# Altium PCB AL1000.PcbDoc (part 2 of 8)
Units mil, origin at the board's own origin, x right, y up, seen from the top; angles counter-clockwise.
Board outline 8277.75 x 4143.89 mil, 4 copper layers (Component Side, Ground Plane, Power Plane, Solder Side), stack 33.234 mil thick; 485 components, 360 nets, 1548 pads, 394 vias.
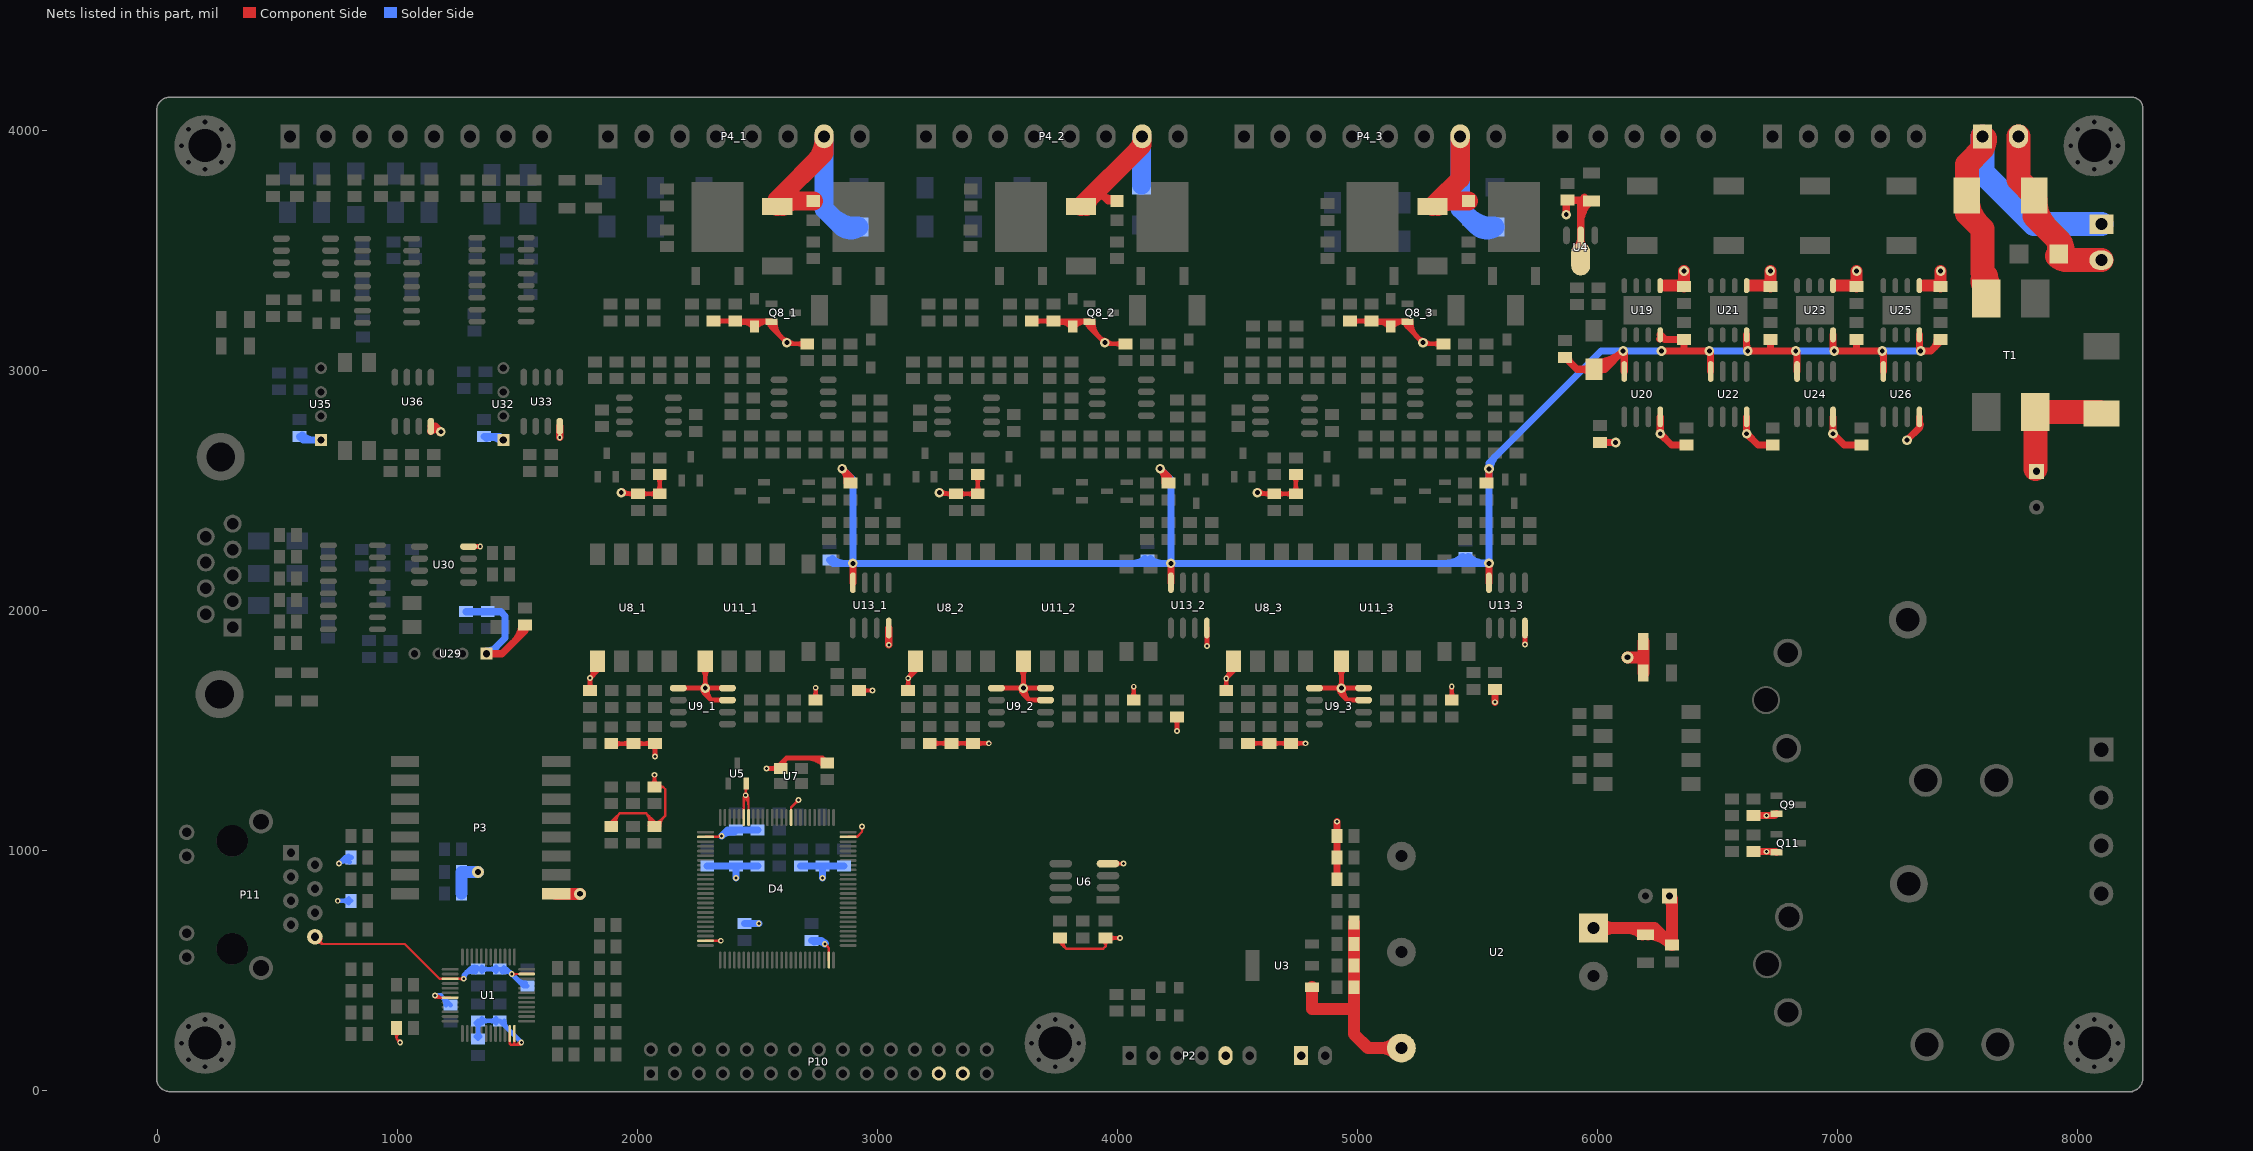
[diagram p4: the nets of this part, all layers, seen from the top]

## Part data
C1 C2 C3 C4 C5 C7 C8 C9 C14 C15 C18 C20 C22 C23 C26 C28 C31 C34 C36_1 C36_2 C36_3 C38_1 C38_2 C38_3 C39_1 C39_2 C39_3 C42_1 C42_2 C42_3 C45_1 C45_2 C45_3 C46_1 C46_2 C46_3 C47_1 C47_2 C47_3 C48_1 C48_2 C48_3 C49_1 C49_2 C49_3 C50_1 C50_2 C50_3 C51_1 C51_2 C51_3 C52_1 C52_2 C52_3 C53_1 C53_2 C53_3 C54_1 C54_2 C54_3 C55_1 C55_2 C55_3 C56_1 C56_2 C56_3 C57 C59 C60 C61 C62 C63 C64 C65 C66 C67 C68 C69 C70 C71 C72 C73 C74 C75 C77 C78 C80 C82 C83 C84 C85 C86 C87 C88 C90 C92 C93 C94 C95 C96 C97 C99 C100 C102 C103 C104 C105: library part "0805 100nF(104) 10% 50V", "贴片电容"
C6 C12 C13 C17 C19 C21 C25 C27 C33 C76 C79 C89 C101: library part "0805 10uF (106) 10% 25V", "贴片电容"
C10 C81 C91 C98: library part Cap, "Capacitor"
C11: library part CD1, "Electrolytic Capacitor"
C16 C24 C37_1 C37_2 C37_3: library part "1206 10uF (106) 10% 50V", "贴片电容"
C29 C30 C35_1 C35_2 C35_3 C40_1 C40_2 C40_3 C43_1 C43_2 C43_3 C44_1 C44_2 C44_3: library part CAP, "Capacitor"
C32: library part G-CC41-0805-CG-50V-300J, "多层瓷介电容"
C41_1 C41_2 C41_3: library part CC, "Capacitor"
C58: library part "Cap Pol1", "Polarized Capacitor (Radial)"
D1: library part "SMA(DO-214AC) SS54", "二极管"
D2 D3 D8_1 D8_2 D8_3 D9_1 D9_2 D9_3 D10_1 D10_2 D10_3 D31: library part TVS
D4: library part BARRACUDA_256K
D5 D6 D26 D28: library part Diode, "Default Diode"
D7_1 D7_2 D7_3: library part "SMA(DO-214AC) M7", "二极管"
D11_1 D11_2 D11_3 D13_1 D13_2 D13_3 D25 D27: library part "0805 红灯", "发光二极管"
D12_1 D12_2 D12_3 D14_1 D14_2 D14_3: library part "D Zener", "Zener Diode"
D15 D16 D17 D18 D19 D20 D21 D22 D23 D24: library part "Bidirectional DIODE TVS", "1V5KE6V8CA"
L1 L2 L3 L4 L5_1 L5_2 L5_3 L6_1 L6_2 L6_3 L8_1 L8_2 L8_3 L9_1 L9_2 L9_3 L11 L12 L13 L14 L15 L16 L17: library part L1
M1 M3 M4 M5 M6: "Header, 9-Pin"
P1 P9 P12: library part "Header 2", "Header, 2-Pin"
P2: "Header, 6-Pin"
P3: library part "Header 8X2", "Header, 8-Pin, Dual row"
P4_1 P4_2 P4_3 P8: "Header, 8-Pin"
P5: library part "Header 4H", "Header, 4-Pin, Right Angle"
P6 P7: "Header, 5-Pin"
P10: "Header, 15-Pin, Dual row"
P11: library part J0011D21B
P13: library part DB9
Q1_1 Q1_2 Q1_3 Q2_1 Q2_2 Q2_3 Q8_1 Q8_2 Q8_3 Q9 Q11: library part "SOT-23 MMBT5401 2L", "三极管"
Q3_1 Q3_2 Q3_3 Q5_1 Q5_2 Q5_3: library part "2N7002 7002", "MOS(场效应管)"
Q4_1 Q4_2 Q4_3 Q7_1 Q7_2 Q7_3: "HEXFET Power MOSFET"
R1 R2 R3 R4 R5 R6 R7 R8 R9 R10 R11 R12 R13 R14 R15 R16 R17 R18 R19 R20 R21 R22 R23 R24 R26 R27 R28 R68 R69 R70 R71 R72 R73 R82 R83 R84 R85 R86 R87 R88 R89 R90 R91 R92 R93 R94 R95 R96 R97 R98 R99 R100 R101 R102 R103 R104 R105 R106 R107 R108: library part Res1, "Resistor"
R25 R30: library part res1, "Resistor"
R29 R31 R32 R51_1 R51_2 R51_3 R55 R66_1 R66_2 R66_3: library part RMK2012KBxxx（10～1M）F, "贴片电阻"
R33_1 R33_2 R33_3 R34_1 R34_2 R34_3 R35_1 R35_2 R35_3 R36_1 R36_2 R36_3 R37_1 R37_2 R37_3 R38_1 R38_2 R38_3 R39_1 R39_2 R39_3 R40_1 R40_2 R40_3 R41_1 R41_2 R41_3 R42_1 R42_2 R42_3 R43_1 R43_2 R43_3 R62_1 R62_2 R62_3 R63_1 R63_2 R63_3 R64_1 R64_2 R64_3 R65_1 R65_2 R65_3 R67_1 R67_2 R67_3: library part Res2, "Resistor"
R44_1 R44_2 R44_3: library part "0805 100Ω (1000) 1%", "贴片电阻"
R45_1 R45_2 R45_3 R46_1 R46_2 R46_3 R47_1 R47_2 R47_3 R49_1 R49_2 R49_3 R50_1 R50_2 R50_3 R52_1 R52_2 R52_3 R54_1 R54_2 R54_3 R56_1 R56_2 R56_3 R57_1 R57_2 R57_3 R58_1 R58_2 R58_3 R61_1 R61_2 R61_3: library part "0805 100KΩ (1003) 1%", "贴片电阻"
R48_1 R48_2 R48_3 R59_1 R59_2 R59_3: library part "0805 5.1KΩ (5101) 1%", "贴片电阻"
R53_1 R53_2 R53_3 R60_1 R60_2 R60_3: library part "0805 10KΩ (1002) 1%", "贴片电阻"
T1: library part ACP3225, "TDP ACP3225 Common Mode Filters"
U1: library part DP83848CVVX_[C16688], "接口芯片"
U2: library part 48S5
U3: library part LM1117, "3-Terminal Adjustable Positive Voltage Regulator"
U4: library part "SOT-89 HT7550-1", "低压差线性稳压(LDO)"
U5 U12_1 U12_2 U12_3: "Precision Micropower Shunt Voltage Reference, 3-pin SOT-23"
U6: library part SPI_FLASH
U7: library part SM7745HEV-50.0M
U9_1 U9_2 U9_3 U10_1 U10_2 U10_3 U14_1 U14_2 U14_3: library part LM2904D, "Dual Low-Power Operational Amplifier"
U13_1 U13_2 U13_3 U20 U22 U24 U26: "Dual Channel Digital Isolator, 2.5 KV rms Insulation Rating, 1 Mbps Data Rate, 150 ns Delay, Industrial, 8-pin SOIC (R-8), Tube"
U15_1 U15_2 U15_3 U16 U17 U27 U38: library part TLP521
U28 U31 U34: library part MAX232ESE_[C26860], "RS232"
U29 U32 U35: library part MORNSUN-BM, "MORNSUN Fixed input,Isolated,Unregulated Series DC/DC"
U30 U33 U36: library part ADUM1201ARZ-RL7_[C9669], "隔离器"
U37: library part SP485EEN-L/TR_[C6855], "RS-485/RS-422"
Y1: library part "SMD-3215_2P 32.768KHz 20ppm 12.5pF", "贴片晶振"

## Via types
v1: diameter 24, hole 12, Component Side to Solder Side, tented both sides, 224 vias
v2: diameter 40, hole 20, Component Side to Solder Side, tented both sides, 140 vias
v3: diameter 50, hole 24, Component Side to Solder Side, tented both sides, 16 vias
v4: diameter 50, hole 28, Component Side to Solder Side, tented both sides, 10 vias
v5: diameter 50, hole 30, Component Side to Solder Side, tented both sides, 4 vias

## Nets (pads, with @x,y where several pads share a name; then routed paths per layer and width w, separated by ;. In a path a pad name is that pad's centre, name@x,y a point inside that pad or via, vN(x,y) a via of type N, cw(c..) or ccw(c..) an arc to the next point about the centre after c; other vN are vias at no path point)
5V2: C49_1.2 C49_2.2 C49_3.2 C59.2 C60.2 C61.2 C62.2 D3.1 L2.2 R45_1.2 R45_2.2 R45_3.2 U13_1.8 U13_2.8 U13_3.8 U19.4 U20.8 U21.4 U22.8 U23.4 U24.8 U25.4 U26.8 | length 8859
  Component Side w30: R45_1.2@2872.87,2532.2 ccw(c2799.94,2539.54) v2(2851.77,2591.38) 2886.77,2556.38 R45_1.2@2886.77,2531.42 ; U13_1.8@2896.77,2115.91 v2(2896.77,2196.42) ; R45_2.2@4198.46,2532.2 ccw(c4125.53,2539.54) v2(4177.36,2591.38) 4212.36,2556.38 R45_2.2@4212.36,2531.42 ; U13_2.8@4222.36,2115.91 v2(4222.36,2196.42) ; R45_3.2@5537.95,2531.42 5547.95,2541.42 v2(5547.95,2590) ; R45_3.2@5538.52,2536.96 ccw(c5515.73,2559.74) 5547.95,2559.74 ; U13_3.8@5547.95,2115.91 v2(5547.95,2196.42) ; L2.2@5865,3054.96 5914.96,3005 D3.1@5985,3005 6030.39,3005 ; L2.2@5878.94,3054.96 ccw(c5912.58,3054.96) 5888.79,3031.17 ; D3.1@5970.55,2990.55 ccw(c5935.67,2955.67) 5935.67,3005 ccw(c5935.67,3054.33) D3.1@5970.55,3019.45 ; D3.1@5984.51,3005.01 ccw(c5989.56,3103.17) 6059.06,3033.67 ; D3.1@5986.05,3034.97 ccw(c5994.24,3193.9) v2(6106.77,3081.38) ; D3.1@6000.3,2991.45 cw(c6030.39,2964.8) 6030.39,3005 ; D3.1@6000.3,3018.55 ccw(c6030.39,3045.2) 6030.39,3005 ; v2@6103.24,3077.84 cw(c6082.63,3057.24) 6111.77,3057.24 ; U20.8@6111.77,2995.87 6111.77,3076.38 v2(6106.77,3081.38) 6030.39,3005 ; U19.4@6259.99,3131.98 cw(c6269.19,3118.32) 6280.83,3129.96 ; U19.4@6261.77,3149.02 6280.83,3129.96 ; v2(6266.77,3081.38) 6360.71,3081.38 ; v2@6463.24,3077.84 cw(c6442.63,3057.24) 6471.77,3057.24 ; U22.8@6471.77,2995.87 6471.77,3076.38 v2(6466.77,3081.38) 6360.71,3081.38 ; 6621.77,3105.52 ccw(c6650.91,3105.52) v2@6630.31,3084.91 ; U21.4@6621.77,3149.02 6621.77,3086.38 v2(6626.77,3081.38) 6720.71,3081.38 ; C60.2@6720.71,3129.96 6720.71,3081.38 ; v2@6823.24,3077.84 cw(c6802.63,3057.24) 6831.77,3057.24 ; U24.8@6831.77,2995.87 6831.77,3076.38 v2(6826.77,3081.38) 6720.71,3081.38 ; 6981.77,3105.52 ccw(c7010.91,3105.52) v2@6990.31,3084.91 ; U23.4@6981.77,3149.02 6981.77,3086.38 v2(6986.77,3081.38) 7086.77,3081.38 ; C61.2@7080,3129.96 7080,3088.15 7086.77,3081.38 ; v2@7183.24,3077.84 cw(c7162.63,3057.24) 7191.77,3057.24 ; U26.8@7191.77,2995.87 7191.77,3076.38 v2(7186.77,3081.38) 7086.77,3081.38 ; 7341.77,3105.52 ccw(c7370.91,3105.52) v2@7350.31,3084.91 ; U25.4@7341.77,3149.02 7341.77,3086.38 v2(7346.77,3081.38) 7390,3081.38 7430,3121.38 C59.2@7430,3129.96 ; 7400.14,3091.52 ccw(c7361.7,3129.96) C59.2@7416.06,3129.96 ; 6280.83,3129.96 C62.2@6360.71,3129.96 6360.71,3081.38
  Solder Side w30: C49_1.2@2800,2209.96 2813.54,2196.42 v2(2896.77,2196.42) ; C49_1.2@2811.64,2215.5 ccw(c2857.71,2261.57) 2857.71,2196.42 ; v2(2851.77,2591.38) 2896.77,2546.38 v2(2896.77,2196.42) ; 4067.38,2196.42 ccw(c4067.38,2261.44) C49_2.2@4113.36,2215.46 ; C49_2.2@4136.64,2215.46 ccw(c4182.62,2261.44) 4182.62,2196.42 ; v2(4177.36,2591.38) 4222.36,2546.38 v2(4222.36,2196.42) ; 5368.14,2196.42 ccw(c5368.14,2295.71) C49_3.2@5438.36,2225.5 ; C49_3.2@5440.43,2204.29 ccw(c5459.43,2223.29) 5459.43,2196.42 ; 5440.57,2196.42 ccw(c5440.57,2223.29) C49_3.2@5459.57,2204.29 ; C49_3.2@5461.64,2225.5 ccw(c5531.86,2295.71) v2@5531.86,2196.42 ; 5525.5,2198.12 ccw(c5532.3,2223.52) v2@5545.45,2200.75 ; v2@5552.95,2590 cw(c5625.38,2590) 5574.17,2641.21 ; v2(6266.77,3081.38) v2(6106.77,3081.38) 6014.33,3081.38 5547.95,2615 v2(5547.95,2590) v2(5547.95,2196.42) v2(4222.36,2196.42) ; v2(6466.77,3081.38) v2(6626.77,3081.38) ; v2(6826.77,3081.38) v2(6986.77,3081.38) ; v2(7186.77,3081.38) v2(7346.77,3081.38) ; v2(2896.77,2196.42) v2(4222.36,2196.42)
24V+: C11.1 C15.2 C16.2 C23.2 C24.2 C56_1.2 C56_2.2 C56_3.2 C58.1 C67.2 C68.2 C69.2 C70.2 D7_1.2 D7_2.2 D7_3.2 D14_1.2 D14_2.2 D14_3.2 D31.2 P4_1.7 P4_2.7 P4_3.7 Q8_1.2 Q8_2.2 Q8_3.2 Q9.2 Q11.2 R33_1.1 R33_2.1 R33_3.1 R34_1.2 R34_2.2 R34_3.2 R39_1.1 R39_2.1 R39_3.1 R44_1.1 R44_2.1 R44_3.1 R51_1.1 R51_2.1 R51_3.1 R63_1.2 R63_2.2 R63_3.2 R64_1.2 R64_2.2 R64_3.2 R72.2 R73.2 T1.2 U2.1 U4.2 U19.5 U21.5 U23.5 U25.5 | length 11381.9
  Component Side w20: v2(1931.77,2491.38) 1936.69,2486.46 R33_1.1@2001.77,2486.46 R39_1.1@2091.77,2486.46 R34_1.2@2091.77,2566.38 ; v2@1938.84,2498.45 ccw(c1967.79,2527.4) 1967.79,2486.46 ; R33_1.1@1986.59,2477.38 ccw(c1964.68,2455.47) 1964.68,2486.46 ccw(c1964.68,2517.44) R33_1.1@1986.59,2495.53 ; R33_1.1@2016.95,2477.38 cw(c2038.86,2455.47) 2038.86,2486.46 cw(c2038.86,2517.44) R33_1.1@2016.95,2495.53 ; R39_1.1@2076.59,2477.38 ccw(c2054.68,2455.47) 2054.68,2486.46 ccw(c2054.68,2517.44) R39_1.1@2076.59,2495.53 ; R39_1.1@2082.7,2495.53 ccw(c2060.79,2517.44) 2091.77,2517.44 ccw(c2122.76,2517.44) R39_1.1@2100.85,2495.53 ; R34_1.2@2082.7,2557.3 cw(c2060.79,2535.39) 2091.77,2535.39 cw(c2122.76,2535.39) R34_1.2@2100.85,2557.3 ; C56_1.2@2316.77,3206.38 R64_1.2@2406.77,3206.38 Q8_1.2@2555.2,3206.38 ; C56_1.2@2331.95,3197.3 cw(c2353.86,3175.39) 2353.86,3206.38 cw(c2353.86,3237.36) C56_1.2@2331.95,3215.45 ; R64_1.2@2391.59,3197.3 ccw(c2369.68,3175.39) 2369.68,3206.38 ccw(c2369.68,3237.36) R64_1.2@2391.59,3215.45 ; R64_1.2@2419.29,3195.26 cw(c2437.79,3163.23) 2447.36,3198.96 ; R64_1.2@2419.67,3206.38 cw(c2419.67,3121.16) D14_1.2@2479.92,3181.42 ; R64_1.2@2421.95,3197.3 cw(c2443.86,3175.39) 2443.86,3206.38 cw(c2443.86,3237.36) R64_1.2@2421.95,3215.45 ; R64_1.2@2423.99,3212.8 ccw(c2445.62,3225.29) 2439.16,3201.16 ; D14_1.2@2467.95,3206.38 cw(c2467.95,3169.45) D14_1.2@2494.07,3195.56 ; D14_1.2@2479.48,3195.56 cw(c2505.59,3169.45) D14_1.2@2505.59,3206.38 ; D14_1.2@2493.62,3181.42 cw(c2553.88,3121.16) Q8_1.2@2553.88,3206.38 ; 2531.9,3206.38 cw(c2531.9,3189.19) Q8_1.2@2544.06,3201.34 ; Q8_1.2@2550.34,3202.87 ccw(c2569.16,3196.91) 2555.2,3182.95 ; Q8_1.2@2552.17,3204.02 ccw(c2595.7,3204.02) 2564.92,3173.23 ; 2555.2,3189.19 cw(c2572.39,3189.19) Q8_1.2@2560.23,3201.34 ; Q8_1.2@2557.56,3204.02 Q8_1.2@2555.2,3206.38 ; Q8_1.2@2572.17,3204.02 ccw(c2663.98,3204.02) 2599.06,3139.09 ; v2@2611.77,3116.38 ccw(c2587.63,3116.38) 2604.7,3133.45 ccw(c2621.77,3150.52) v2@2621.77,3126.38 ; v2@2628.84,3123.45 ccw(c2657.89,3152.5) 2657.89,3111.42 ; R44_1.1@2691.59,3102.34 ccw(c2669.68,3080.43) 2669.68,3111.42 ccw(c2669.68,3142.4) R44_1.1@2691.59,3120.49 ; R44_1.1@2706.77,3111.42 2626.73,3111.42 v2(2621.77,3116.38) 2555.2,3182.95 ; v2(3257.36,2491.38) 3262.28,2486.46 R33_2.1@3327.36,2486.46 R39_2.1@3417.36,2486.46 R34_2.2@3417.36,2566.38 ; v2@3264.43,2498.45 ccw(c3293.39,2527.4) 3293.39,2486.46 ; R33_2.1@3312.18,2477.38 ccw(c3290.27,2455.47) 3290.27,2486.46 ccw(c3290.27,2517.44) R33_2.1@3312.18,2495.53 ; R33_2.1@3342.54,2477.38 cw(c3364.45,2455.47) 3364.45,2486.46 cw(c3364.45,2517.44) R33_2.1@3342.54,2495.53 ; R39_2.1@3402.18,2477.38 ccw(c3380.27,2455.47) 3380.27,2486.46 ccw(c3380.27,2517.44) R39_2.1@3402.18,2495.53 ; R39_2.1@3408.29,2495.53 ccw(c3386.38,2517.44) 3417.36,2517.44 ccw(c3448.35,2517.44) R39_2.1@3426.44,2495.53 ; R34_2.2@3408.29,2557.3 cw(c3386.38,2535.39) 3417.36,2535.39 cw(c3448.35,2535.39) R34_2.2@3426.44,2557.3 ; C56_2.2@3642.36,3206.38 R64_2.2@3732.36,3206.38 Q8_2.2@3880.79,3206.38 ; C56_2.2@3657.54,3197.3 cw(c3679.45,3175.39) 3679.45,3206.38 cw(c3679.45,3237.36) C56_2.2@3657.54,3215.45 ; R64_2.2@3717.18,3197.3 ccw(c3695.27,3175.39) 3695.27,3206.38 ccw(c3695.27,3237.36) R64_2.2@3717.18,3215.45 ; R64_2.2@3744.88,3195.26 cw(c3763.38,3163.23) 3772.95,3198.96 ; R64_2.2@3745.26,3206.38 cw(c3745.26,3121.16) D14_2.2@3805.51,3181.42 ; R64_2.2@3747.54,3197.3 cw(c3769.45,3175.39) 3769.45,3206.38 cw(c3769.45,3237.36) R64_2.2@3747.54,3215.45 ; R64_2.2@3749.58,3212.8 ccw(c3771.21,3225.29) 3764.75,3201.16 ; D14_2.2@3793.54,3206.38 cw(c3793.54,3169.45) D14_2.2@3819.66,3195.56 ; D14_2.2@3805.07,3195.56 cw(c3831.18,3169.45) D14_2.2@3831.18,3206.38 ; D14_2.2@3819.21,3181.42 cw(c3879.47,3121.16) Q8_2.2@3879.47,3206.38 ; 3857.5,3206.38 cw(c3857.5,3189.19) Q8_2.2@3869.65,3201.34 ; Q8_2.2@3875.93,3202.87 ccw(c3894.75,3196.91) 3880.79,3182.95 ; Q8_2.2@3877.76,3204.02 ccw(c3921.29,3204.02) 3890.51,3173.23 ; 3880.79,3189.19 cw(c3897.98,3189.19) Q8_2.2@3885.82,3201.34 ; Q8_2.2@3883.15,3204.02 Q8_2.2@3880.79,3206.38 ; Q8_2.2@3897.76,3204.02 ccw(c3989.57,3204.02) 3924.65,3139.09 ; v2@3937.36,3116.38 ccw(c3913.22,3116.38) 3930.29,3133.45 ccw(c3947.36,3150.52) v2@3947.36,3126.38 ; v2@3954.43,3123.45 ccw(c3983.48,3152.5) 3983.48,3111.42 ; R44_2.1@4017.18,3102.34 ccw(c3995.27,3080.43) 3995.27,3111.42 ccw(c3995.27,3142.4) R44_2.1@4017.18,3120.49 ; R44_2.1@4032.36,3111.42 3952.32,3111.42 v2(3947.36,3116.38) 3880.79,3182.95 ; v2(4582.95,2491.38) 4587.87,2486.46 R33_3.1@4652.95,2486.46 R39_3.1@4742.95,2486.46 R34_3.2@4742.95,2566.38 ; v2@4590.02,2498.45 ccw(c4618.98,2527.4) 4618.98,2486.46 ; R33_3.1@4637.78,2477.38 ccw(c4615.86,2455.47) 4615.86,2486.46 ccw(c4615.86,2517.44) R33_3.1@4637.78,2495.53 ; R33_3.1@4668.13,2477.38 cw(c4690.04,2455.47) 4690.04,2486.46 cw(c4690.04,2517.44) R33_3.1@4668.13,2495.53 ; R39_3.1@4727.78,2477.38 ccw(c4705.86,2455.47) 4705.86,2486.46 ccw(c4705.86,2517.44) R39_3.1@4727.78,2495.53 ; R39_3.1@4733.88,2495.53 ccw(c4711.97,2517.44) 4742.95,2517.44 ccw(c4773.94,2517.44) R39_3.1@4752.03,2495.53 ; R34_3.2@4733.88,2557.3 cw(c4711.97,2535.39) 4742.95,2535.39 cw(c4773.94,2535.39) R34_3.2@4752.03,2557.3 ; C56_3.2@4967.95,3206.38 R64_3.2@5057.95,3206.38 Q8_3.2@5206.38,3206.38 ; C56_3.2@4983.13,3197.3 cw(c5005.04,3175.39) 5005.04,3206.38 cw(c5005.04,3237.36) C56_3.2@4983.13,3215.45 ; R64_3.2@5042.78,3197.3 ccw(c5020.86,3175.39) 5020.86,3206.38 ccw(c5020.86,3237.36) R64_3.2@5042.78,3215.45 ; R64_3.2@5070.47,3195.26 cw(c5088.97,3163.23) 5098.54,3198.96 ; R64_3.2@5070.85,3206.38 cw(c5070.85,3121.16) D14_3.2@5131.1,3181.42 ; R64_3.2@5073.13,3197.3 cw(c5095.04,3175.39) 5095.04,3206.38 cw(c5095.04,3237.36) R64_3.2@5073.13,3215.45 ; R64_3.2@5075.17,3212.8 ccw(c5096.81,3225.29) 5090.34,3201.16 ; D14_3.2@5119.13,3206.38 cw(c5119.13,3169.45) D14_3.2@5145.25,3195.56 ; D14_3.2@5130.66,3195.56 cw(c5156.77,3169.45) D14_3.2@5156.77,3206.38 ; D14_3.2@5144.8,3181.42 cw(c5205.06,3121.16) Q8_3.2@5205.06,3206.38 ; 5183.09,3206.38 cw(c5183.09,3189.19) Q8_3.2@5195.24,3201.34 ; Q8_3.2@5201.52,3202.87 ccw(c5220.34,3196.91) 5206.38,3182.95 ; Q8_3.2@5203.35,3204.02 ccw(c5246.88,3204.02) 5216.1,3173.23 ; 5206.38,3189.19 cw(c5223.57,3189.19) Q8_3.2@5211.41,3201.34 ; Q8_3.2@5208.74,3204.02 Q8_3.2@5206.38,3206.38 ; Q8_3.2@5223.35,3204.02 ccw(c5315.16,3204.02) 5250.24,3139.09 ; v2@5262.95,3116.38 ccw(c5238.81,3116.38) 5255.88,3133.45 ccw(c5272.95,3150.52) v2@5272.95,3126.38 ; v2@5280.02,3123.45 ccw(c5309.07,3152.5) 5309.07,3111.42 ; R44_3.1@5342.78,3102.34 ccw(c5320.86,3080.43) 5320.86,3111.42 ccw(c5320.86,3142.4) R44_3.1@5342.78,3120.49 ; R44_3.1@5357.95,3111.42 5277.91,3111.42 v2(5272.95,3116.38) 5206.38,3182.95 ; U19.5@6261.77,3353.74 6280.71,3353.74 ; U21.5@6621.77,3353.74 6640.71,3353.74 ; U23.5@6981.77,3353.74 7000.71,3353.74 ; U25.5@7341.77,3353.74 7360.71,3353.74 ; 2555.2,3182.95 Q8_1.2@2555.2,3206.38 ; 3880.79,3182.95 Q8_2.2@3880.79,3206.38 ; 5206.38,3182.95 Q8_3.2@5206.38,3206.38
  Component Side w30: R51_2.1@3992.86,3716.19 cw(c3979.55,3783.56) 3930.99,3735 3959.61,3706.38 R51_2.1@3997.36,3706.38 ; v2(5870,3650) 5870,3704.96 C23.2@5875,3709.96 5971.38,3709.96 C24.2@5975,3706.34 ; U4.2@5912.77,3511.76 ccw(c5871.17,3553.36) 5930,3553.36 ccw(c5988.83,3553.36) U4.2@5947.23,3511.76 ; U4.2@5930,3465 U4.2@5930,3559.49 5930,3694.96 ; 5930,3612.05 cw(c6056.1,3612.05) C24.2@5966.93,3701.22 ; 5930,3684.48 cw(c5983.67,3684.48) C24.2@5945.72,3722.43 ; 5935.58,3709.96 cw(c5935.58,3680.11) C24.2@5956.69,3701.22 ; R73.2@6650,994.96 v1(6705,994.96) 6743.43,994.96 Q11.2@6745.79,992.6 ; R72.2@6650,1144.96 v1(6705,1144.96) 6738.15,1144.96 Q9.2@6745.79,1152.6 ; 6719.47,1144.96 ccw(c6719.47,1168.09) Q9.2@6735.82,1151.74
  Component Side w50: U2.1@5982.99,676.32 6238.72,676.32 ; U2.1@6007.74,651.57 cw(c6067.49,591.83) 6067.49,676.32 cw(c6067.49,760.82) U2.1@6007.74,701.07 ; 6126.68,676.32 cw(c6126.68,588.53) C16.2@6188.76,650.61 ; C16.2@6210.43,648.73 cw(c6238.72,648.03) 6238.72,676.32 ; C16.2@6213.19,651.42 cw(c6213.19,529.66) C15.2@6299.28,615.76 ; 6280.71,3353.74 6357.01,3353.74 C67.2@6360.71,3350.04 v2(6360.71,3415) ; C11.1@6295.76,805.76 cw(c6261.37,771.37) 6310,771.37 ; C11.1@6300,810 6310,800 C15.2@6310,605.04 6238.72,676.32 ; 6640.71,3353.74 6717.01,3353.74 C69.2@6720.71,3350.04 v2(6720.71,3415) ; 7000.71,3353.74 C70.2@7067.01,3353.74 ; C70.2@7080,3350.04 v2(7080,3415) ; 7360.71,3353.74 C68.2@7417.01,3353.74 ; C68.2@7430,3350.04 v2(7430,3415)
  Component Side w80: R63_1.2@2604.76,3684.41 cw(c2725.38,3684.41) 2640.09,3769.7 ; R63_1.2@2606.1,3687.64 cw(c2651.34,3642.4) 2651.34,3706.38 ; R51_1.1@2731.77,3706.38 2603.74,3706.38 R63_1.2@2581.77,3684.41 2581.77,3711.38 2776.77,3906.38 P4_1.7@2776.77,3976.38 ; 2734.35,3863.95 ccw(c2631.92,3966.38) P4_1.7@2776.77,3966.38 ; R63_2.2@3847.36,3684.41 4102.36,3939.41 P4_2.7@4102.36,3976.38 ; R63_2.2@3870.35,3684.41 cw(c3925.86,3684.41) 3886.61,3723.66 ; 4083.29,3920.34 ccw(c4037.25,3966.38) P4_2.7@4102.36,3966.38 ; R63_3.2@5312.95,3684.41 R63_3.2@5334.92,3706.38 ; R63_3.2@5335.94,3684.41 cw(c5391.45,3684.41) 5352.2,3723.66 ; R63_3.2@5337.28,3687.64 cw(c5382.52,3642.4) 5382.52,3706.38 ; P4_3.7@5427.95,3976.38 5427.95,3799.41 R63_3.2@5334.92,3706.38 ; R51_3.1@5462.95,3706.38 R63_3.2@5334.92,3706.38
  Component Side w100: C58.1@7825,2590 7824.72,2590.28 T1.2@7824.72,2827.56 D31.2@8093.37,2827.56
  Solder Side w80: P4_1.7@2776.77,3976.38 2776.77,3674.41 2848.78,3602.4 ; 2804.56,3646.62 ccw(c2921.77,3763.83) D7_1.2@2921.77,3598.07 ; D7_1.2@2921.77,3598.7 2918.07,3602.4 2848.78,3602.4 ; D7_1.2@2922.16,3598.21 cw(c2887.82,3641.44) 2848.78,3602.4 ; D7_2.2@4100,3772.68 4100,3974.02 P4_2.7@4102.36,3976.38 ; P4_3.7@5427.95,3976.38 5427.95,3674.41 5499.96,3602.4 ; 5455.74,3646.62 ccw(c5572.95,3763.83) D7_3.2@5572.95,3598.07 ; D7_3.2@5572.95,3598.7 5569.25,3602.4 5499.96,3602.4 ; D7_3.2@5573.34,3598.21 cw(c5539,3641.44) 5499.96,3602.4
24VIN+: D1.1 D2.2 P1.2 P9.2 | length 1085.1
  Component Side w100: P1.2@7754.72,3976.38 7754.72,3795.77 D2.2@7820.49,3730 7820.49,3644.51 7922.68,3542.32 ; D2.2@7825.49,3710 ccw(c7995.67,3710) 7875.34,3589.66 ; 7900.29,3564.71 cw(c7820.58,3485) D1.1@7933.31,3485 ; D1.1@7915.16,3477.48 ccw(c7957.37,3519.69) D1.1@7957.37,3460 ; D1.1@7932.08,3480.04 ccw(c7885.17,3504.81) 7922.68,3542.32 ; P9.2@8100,3460 7947.68,3460 D1.1@7922.68,3485 7922.68,3542.32
24VIN-: D2.1 P1.1 P9.1 T1.4 | length 1852.2
  Component Side w100: D2.1@7544.51,3710 ccw(c7688.17,3710) 7586.59,3608.41 ; 7592.34,3912.34 ccw(c7538.31,3966.38) P1.1@7614.72,3966.38 ; P1.1@7604.72,3976.38 7604.72,3924.72 7539.51,3859.51 D2.1@7539.51,3730 7539.51,3655.49 7605,3590 7605,3409.51 ; T1.4@7612.56,3324.85 ccw(c7558.15,3362.66) 7605,3409.51 ; T1.4@7620,3300 7620,3394.51 7605,3409.51 ; T1.4@7605,3377.76 ccw(c7678.07,3377.76) 7626.4,3326.09 cw(c7678.07,3377.76) T1.4@7605,3377.76
  Solder Side w100: P1.1@7604.72,3976.38 7604.72,3825.28 7820,3610 P9.1@8100,3610
GND: C1.2 C2.2 C3.2 C4.2 C5.2 C6.1 C7.2 C8.2 C9.2 C10.1 C12.1 C13.1 C14.1 C17.1 C18.1 C19.1 C20.1 C25.1 C26.2 C27.1 C28.2 C29.1 C30.2 C31.1 C32.1 C33.1 C34.2 C37_1.1 C37_2.1 C37_3.1 C38_1.1 C38_2.1 C38_3.1 C39_1.1 C39_2.1 C39_3.1 C42_1.1 C42_2.1 C42_3.1 C46_1.1 C46_2.1 C46_3.1 C48_1.1 C48_2.1 C48_3.1 C57.2 C63.1 C64.1 C65.1 C66.1 C76.1 C77.2 C87.2 C99.2 C103.1 C104.1 C105.1 D4.10 D4.19 D4.20 D4.27 D4.49 D4.74 D4.99 P2.5 P3.9 P10.25 P10.27 P11.8 P12.1 R23.1 R24.1 R30.2 R31.2 R32.2 R55.2 R86.1 U1.15 U1.19 U1.35 U1.36 U1.47 U2.3 U3.1 U5.2 U6.4 U7.2 U8_1.5 U8_2.5 U8_3.5 U9_1.3 U9_1.4 U9_1.5 U9_2.3 U9_2.4 U9_2.5 U9_3.3 U9_3.4 U9_3.5 U11_1.5 U11_2.5 U11_3.5 U13_1.4 U13_2.4 U13_3.4 U20.4 U22.4 U24.4 U26.4 U29.1 U30.4 U32.1 U33.4 U35.1 U36.4 | length 16510.7
  Component Side w10: P11.8@655,640 685,610 ; P11.8@664.81,614.31 cw(c671.58,596.58) 685,610 ; P11.8@680.69,630.19 ccw(c698.42,623.42) 685,610 ; R23.1@983.33,240.37 cw(c961.55,215.04) 994.96,215.04 ; R23.1@994.96,260 994.96,215.04 ; v1@1003,200 ccw(c986.1,200) 998.05,211.95 ccw(c1010,223.9) v1@1010,207 ; R23.1@1006.59,240.37 ccw(c1028.37,215.04) 994.96,215.04 ; v1(1010,200) 994.96,215.04 ; v1@1152.88,392.88 ccw(c1168.29,408.29) 1168.29,386.5 ; v1(1155,395) 1163.5,386.5 ; v1@1156.86,388.25 cw(c1158.67,381.67) 1163.5,386.5 ; v1@1159.95,399.95 ccw(c1192.43,432.43) U1.19@1192.43,386.5 ; v1@1161.75,393.14 ccw(c1168.33,391.33) 1163.5,386.5 ; U1.19@1218.54,386.5 1163.5,386.5 ; 1257.53,465.24 cw(c1257.53,447.53) v1@1270.05,460.05 ; 1258.67,465.24 ccw(c1258.67,481.33) v1@1270.05,469.95 ; v1(1275,465) 1274.76,465.24 U1.15@1218.54,465.24 1173.85,465.24 1029.09,610 685,610 ; U1.35@1466.57,236.89 1466.57,193.43 1470,190 1486.26,190 ; v1(1475.08,484.92) U1.47@1537.44,484.92 ; v1@1480.03,479.97 cw(c1491.98,468.02) 1491.98,484.92 cw(c1491.98,501.82) v1@1480.03,489.87 ; U1.36@1486.26,236.89 1486.26,190 ; 1503.17,190 ccw(c1503.17,206.5) v1@1517.63,198.56 ; v1@1508.06,199.07 cw(c1497.38,197.63) 1505,190 ; v1@1508.87,203.37 cw(c1486.26,215.79) 1486.26,190 ; v1@1514.07,193.06 ccw(c1512.63,182.38) 1505,190 ; v1(1515,200) 1505,190 ; R32.2@1890,1100.04 1890,1120 1925,1155 ; R32.2@1894.04,1099.37 cw(c1924.53,1109.22) 1901.87,1131.87 ; R32.2@1903.56,1102.45 cw(c1942.01,1114.87) 1913.44,1143.44 ; R32.2@1913.07,1105.52 cw(c1959.49,1120.51) 1925,1155 ; 2046.56,1143.44 cw(c2017.99,1114.87) R31.2@2056.44,1102.45 ; R31.2@2046.93,1105.52 ccw(c2000.51,1120.51) 2035,1155 ; R55.2@2057.39,1277.65 ccw(c2026.94,1308.1) 2070,1308.1 ccw(c2113.06,1308.1) R55.2@2082.61,1277.65 ; 2058.13,1131.87 cw(c2035.47,1109.22) R31.2@2065.96,1099.37 ; v1@2063.94,1311.5 cw(c2044.02,1300) 2066.24,1294.05 ; v1@2065.05,1310.05 cw(c2053.1,1298.1) 2070,1298.1 cw(c2086.9,1298.1) v1@2074.95,1310.05 ; v1@2066.5,1308.94 cw(c2061.1,1299.59) 2071.53,1302.38 ; 2068.47,1302.38 cw(c2078.9,1299.59) v1@2073.5,1308.94 ; v1(2070,1315) R55.2@2070,1265.04 2104.96,1265.04 ; 2073.76,1294.05 cw(c2095.98,1300) v1@2076.06,1311.5 ; R31.2@2076.1,1117.87 ccw(c2076.1,1146.2) 2096.13,1126.17 ; R31.2@2083.94,1100.04 cw(c2117.58,1100.04) 2093.79,1123.83 ; R55.2@2092.05,1257.06 cw(c2104.96,1250.61) 2104.96,1265.04 ; R55.2@2092.05,1273.02 ccw(c2104.96,1279.47) 2104.96,1265.04 ; R31.2@2093.94,1100.04 cw(c2151.73,1100.04) 2110.86,1140.9 ; D4.49@2282.76,623.46 v1(2346.54,623.46) ; D4.27@2282.76,1056.54 2346.54,1056.54 v1(2350,1060) ; 2324.74,1056.54 ccw(c2324.74,1085.26) v1@2345.05,1064.95 ; v1@2341.59,618.51 ccw(c2329.64,606.57) 2329.64,623.46 ccw(c2329.64,640.36) v1@2341.59,628.41 ; D4.20@2442.2,1137.24 2442.2,1222.2 v1(2450,1230) ; 2442.2,1194.28 cw(c2485.72,1194.28) v1@2454.95,1225.05 ; 2442.2,1218.42 cw(c2461.58,1218.42) v1@2447.88,1232.12 ; v1@2445.05,1225.05 cw(c2404.4,1184.4) 2461.89,1184.4 ; v1@2445.05,1234.95 ccw(c2433.1,1246.9) 2450,1246.9 ccw(c2466.9,1246.9) v1@2454.95,1234.95 ; 2450,1242.64 cw(c2474.64,1242.64) U5.2@2457.22,1260.07 ; v1@2450.03,1223 cw(c2450.09,1206.31) 2461.89,1218.11 ; v1@2452.12,1232.12 cw(c2428.54,1208.54) 2461.89,1208.54 ; U5.2@2452.4,1278.66 2450,1276.26 v1(2450,1230) ; v1@2457,1229.97 ccw(c2473.69,1229.91) 2461.89,1218.11 ; D4.19@2461.89,1137.24 2461.89,1218.11 ; D4.10@2639.06,1137.24 2639.06,1179.06 v1(2670,1210) ; v1@2663,1210 cw(c2646.1,1210) 2658.05,1198.05 cw(c2670,1186.1) v1@2670,1203 ; v1@2780,603 cw(c2780,586.1) 2791.95,598.05 cw(c2803.9,610) v1@2787,610 ; v1(2780,610) 2796.54,593.46 D4.74@2796.54,542.76 ; D4.99@2877.24,1056.54 2913.66,1056.54 2935,1077.88 v1(2935,1100) ; D4.99@2907.17,1057.05 ccw(c2907.17,1073.96) 2919.13,1062 ; C48_1.1@2921.77,1666.38 v1(2978.62,1666.38) v1@2980,1665 ; v1@2930.05,1095.05 cw(c2918.1,1083.1) 2935,1083.1 cw(c2951.9,1083.1) v1@2939.95,1095.05 ; C48_1.1@2940.49,1653.77 cw(c2970.93,1623.32) 2970.93,1666.38 cw(c2970.93,1709.43) C48_1.1@2940.49,1678.99 ; 2957.14,1662.68 cw(c2963.27,1639.79) v1@2975.12,1660.32 ; 2957.14,1670.07 ccw(c2963.27,1692.96) v1@2975.12,1672.44 ; 2966.43,1665.17 ccw(c2963.81,1674.93) v1@2972.56,1669.88 ; 2966.43,1667.59 cw(c2963.81,1657.83) v1@2972.56,1662.88 ; v1@2973.67,1661.43 ccw(c2961.72,1649.48) 2961.72,1666.38 ccw(c2961.72,1683.28) v1@2973.67,1671.33 ; C31.1@3760,634.96 3760,615 3785,590 ; C31.1@3764.28,636.13 ccw(c3783.59,623.81) 3767.39,607.61 ; C31.1@3772.71,630.75 ccw(c3794.34,616.95) 3776.19,598.81 ; C31.1@3781.14,625.37 ccw(c3805.09,610.09) 3785,590 ; R30.2@3939.54,620.47 cw(c3924.73,600) 3950,600 ; U6.4@3960,945 v1(4025,945) ; R30.2@3960.46,620.47 ccw(c3975.27,600) 3950,600 ; R30.2@3968.71,622.31 cw(c3999.16,591.86) 3999.16,634.92 cw(c3999.16,677.98) R30.2@3968.71,647.53 ; 3986.38,631.5 cw(c3993.22,605.99) v1@4006.42,628.86 ; 3986.38,638.35 ccw(c3993.22,663.86) v1@4006.42,640.98 ; U6.4@3999.1,937.4 cw(c4017.44,919.05) 4017.44,945 cw(c4017.44,970.95) U6.4@3999.1,952.6 ; v1@4004.97,629.97 ccw(c3993.02,618.02) 3993.02,634.92 ccw(c3993.02,651.82) v1@4004.97,639.87 ; 4007.74,942.4 cw(c4011.44,928.62) v1@4020.54,939.61 ; 4007.74,947.6 ccw(c4011.44,961.38) v1@4020.54,950.39 ; v1(4009.92,634.92) R30.2@3950,634.92 3950,600 ; 4012.73,943.74 ccw(c4010.08,953.61) v1@4018.94,948.5 ; 4012.73,946.26 cw(c4010.08,936.39) v1@4018.94,941.5 ; v1@4020.05,940.05 ccw(c4008.1,928.1) 4008.1,945 ccw(c4008.1,961.9) v1@4020.05,949.95 ; 1486.26,190 1505,190 ; 1925,1155 2035,1155 ; 2035,1155 2070,1120 R31.2@2070,1100.04 2115,1145.04 2115,1255 2104.96,1265.04 ; v1(2450,1230) 2461.89,1218.11 ; 3785,590 3940,590 3950,600
  Component Side w20: U30.4@1295.35,2266.34 v1(1343.66,2266.34) ; C42_1.1@1792.7,1675.53 ccw(c1770.79,1697.44) 1801.77,1697.44 ccw(c1832.76,1697.44) C42_1.1@1810.85,1675.53 ; C42_1.1@1801.77,1666.46 v1(1801.77,1718.23) ; U8_1.5@1811.82,1767.21 cw(c1769.67,1750.33) v1(1801.77,1718.23) ; 1823.21,1739.67 ccw(c1800.29,1762.59) U8_1.5@1830.38,1774.64 ; U8_1.5@1831.77,1788.98 1831.77,1748.23 v1(1801.77,1718.23) ; C39_1.1@1890,1444.96 2070.35,1444.96 C37_1.1@2071.77,1446.38 v1(2071.77,1391.77) ; C39_1.1@1905.18,1435.89 cw(c1927.09,1413.98) 1927.09,1444.96 cw(c1927.09,1475.95) C39_1.1@1905.18,1454.04 ; 1941.26,1444.96 ccw(c1941.26,1480.79) C38_1.1@1966.59,1455.45 ; 1948.11,1444.96 cw(c1948.11,1418.81) C38_1.1@1966.59,1437.3 ; C38_1.1@1996.95,1437.3 cw(c2015.44,1418.81) 2015.44,1444.96 ; C38_1.1@1996.95,1455.45 ccw(c2022.28,1480.79) 2022.28,1444.96 ; 2031.26,1444.96 ccw(c2031.26,1480.79) C37_1.1@2056.59,1455.45 ; 2038.11,1444.96 cw(c2038.11,1418.81) C37_1.1@2056.59,1437.3 ; C37_1.1@2062.7,1437.3 cw(c2040.79,1415.39) 2071.77,1415.39 cw(c2102.76,1415.39) C37_1.1@2080.85,1437.3 ; U9_1.5@2169.41,1676.42 v2(2281.77,1676.42) ; U11_1.5@2266.57,1760 cw(c2229.88,1723.3) 2281.77,1723.3 cw(c2333.67,1723.3) U11_1.5@2296.97,1760 ; v2@2271.93,1678.17 ccw(c2299.42,1673.27) 2279.67,1653.52 ; U11_1.5@2281.77,1788.98 v2(2281.77,1676.42) ; v2@2291.62,1674.66 ccw(c2345.41,1665.06) 2306.77,1626.42 ; U9_1.3@2374.13,1626.42 2306.77,1626.42 ; U9_1.4@2374.13,1676.42 v2(2281.77,1676.42) ; v1(2536.5,1341.5) U7.2@2596.69,1341.5 2596.69,1361.69 2620,1385 ; U7.2@2582.84,1332.56 ccw(c2561.26,1310.99) 2561.26,1341.5 ccw(c2561.26,1372.01) U7.2@2582.84,1350.43 ; U7.2@2594.92,1338.43 cw(c2616.14,1348.14) 2599.64,1364.64 ; U7.2@2613.11,1346.75 cw(c2644.08,1360.91) 2620,1385 ; 2704.72,1385 cw(c2704.72,1285.86) C32.1@2774.82,1355.96 ; C46_1.1@2732.7,1635.53 ccw(c2710.79,1657.44) 2741.77,1657.44 ccw(c2772.76,1657.44) C46_1.1@2750.85,1635.53 ; C46_1.1@2741.77,1626.46 v1(2741.77,1678.23) ; 2753.01,1385 cw(c2753.01,1334.15) C32.1@2788.96,1370.11 ; C32.1@2790,1365.04 2770.04,1385 2620,1385 ; C42_2.1@3118.29,1675.53 ccw(c3096.38,1697.44) 3127.36,1697.44 ccw(c3158.35,1697.44) C42_2.1@3136.44,1675.53 ; C42_2.1@3127.36,1666.46 v1(3127.36,1717.36) 3157.36,1747.36 U8_2.5@3157.36,1788.98 ; v1(3127.36,1717.36) ccw(c3094.89,1749.84) U8_2.5@3137.44,1767.11 ; 3148.69,1738.69 ccw(c3125.23,1762.16) U8_2.5@3155.98,1774.63 ; C39_2.1@3217.36,1446.38 C38_2.1@3307.36,1446.38 C37_2.1@3397.36,1446.38 v1(3463.62,1446.38) ; C39_2.1@3232.54,1437.3 cw(c3254.45,1415.39) 3254.45,1446.38 cw(c3254.45,1477.36) C39_2.1@3232.54,1455.45 ; C38_2.1@3292.18,1437.3 ccw(c3270.27,1415.39) 3270.27,1446.38 ccw(c3270.27,1477.36) C38_2.1@3292.18,1455.45 ; C38_2.1@3322.54,1437.3 cw(c3344.45,1415.39) 3344.45,1446.38 cw(c3344.45,1477.36) C38_2.1@3322.54,1455.45 ; C37_2.1@3382.18,1437.3 ccw(c3360.27,1415.39) 3360.27,1446.38 ccw(c3360.27,1477.36) C37_2.1@3382.18,1455.45 ; C37_2.1@3412.54,1437.3 cw(c3434.45,1415.39) 3434.45,1446.38 cw(c3434.45,1477.36) C37_2.1@3412.54,1455.45 ; U9_2.5@3495,1676.42 v2(3607.36,1676.42) ; U11_2.5@3592.16,1760 cw(c3555.47,1723.3) 3607.36,1723.3 cw(c3659.26,1723.3) U11_2.5@3622.56,1760 ; v2@3597.52,1678.17 ccw(c3625.01,1673.27) 3605.26,1653.52 ; U11_2.5@3607.36,1788.98 v2(3607.36,1676.42) ; v2@3617.21,1674.66 ccw(c3671,1665.06) 3632.36,1626.42 ; U9_2.3@3699.72,1626.42 3632.36,1626.42 ; U9_2.4@3699.72,1676.42 v2(3607.36,1676.42) ; C46_2.1@4058.29,1635.53 ccw(c4036.38,1657.44) 4067.36,1657.44 ccw(c4098.35,1657.44) C46_2.1@4076.44,1635.53 ; C46_2.1@4067.36,1626.46 v1(4067.36,1682.64) ; C48_2.1@4238.29,1547.3 cw(c4216.38,1525.39) 4247.36,1525.39 cw(c4278.35,1525.39) C48_2.1@4256.44,1547.3 ; v1(4247.36,1497.36) C48_2.1@4247.36,1556.38 ; v1(4372.36,1852.36) U13_2.4@4372.36,1926.93 ; C42_3.1@4443.88,1675.53 ccw(c4421.97,1697.44) 4452.95,1697.44 ccw(c4483.94,1697.44) C42_3.1@4462.03,1675.53 ; C42_3.1@4452.95,1666.46 v1(4452.95,1717.05) ; U8_3.5@4463.05,1767.08 cw(c4420.34,1749.66) v1(4452.95,1717.05) ; 4474.25,1738.34 ccw(c4450.59,1762) U8_3.5@4481.57,1774.63 ; U8_3.5@4482.95,1788.98 4482.95,1747.05 v1(4452.95,1717.05) ; C39_3.1@4542.95,1446.38 C38_3.1@4632.95,1446.38 C37_3.1@4722.95,1446.38 v1(4783.62,1446.38) ; C39_3.1@4558.13,1437.3 cw(c4580.04,1415.39) 4580.04,1446.38 cw(c4580.04,1477.36) C39_3.1@4558.13,1455.45 ; C38_3.1@4617.78,1437.3 ccw(c4595.86,1415.39) 4595.86,1446.38 ccw(c4595.86,1477.36) C38_3.1@4617.78,1455.45 ; C38_3.1@4648.13,1437.3 cw(c4670.04,1415.39) 4670.04,1446.38 cw(c4670.04,1477.36) C38_3.1@4648.13,1455.45 ; C37_3.1@4707.78,1437.3 ccw(c4685.86,1415.39) 4685.86,1446.38 ccw(c4685.86,1477.36) C37_3.1@4707.78,1455.45 ; C37_3.1@4738.13,1437.3 cw(c4760.04,1415.39) 4760.04,1446.38 cw(c4760.04,1477.36) C37_3.1@4738.13,1455.45 ; U9_3.5@4820.59,1676.42 v2(4932.95,1676.42) ; U11_3.5@4917.75,1760 cw(c4881.06,1723.3) 4932.95,1723.3 cw(c4984.85,1723.3) U11_3.5@4948.15,1760 ; v2@4923.11,1678.17 ccw(c4950.61,1673.27) 4930.85,1653.52 ; U11_3.5@4932.95,1788.98 v2(4932.95,1676.42) ; v2@4942.8,1674.66 ccw(c4996.59,1665.06) 4957.95,1626.42 ; U9_3.3@5025.32,1626.42 4957.95,1626.42 ; U9_3.4@5025.32,1676.42 v2(4932.95,1676.42) ; C46_3.1@5383.88,1635.53 ccw(c5361.97,1657.44) 5392.95,1657.44 ccw(c5423.94,1657.44) C46_3.1@5402.03,1635.53 ; C46_3.1@5392.95,1626.46 v1(5392.95,1682.95) ; v1(5697.95,1857.95) U13_3.4@5697.95,1926.93 ; v2(2281.77,1676.42) 2281.77,1651.42 2306.77,1626.42 ; v2(3607.36,1676.42) 3607.36,1651.42 3632.36,1626.42 ; v2(4932.95,1676.42) 4932.95,1651.42 4957.95,1626.42 ; 2257.63,1676.42 cw(c2257.63,1652.28) 2274.7,1669.35 cw(c2257.63,1652.28) 2281.77,1652.28 cw(c2305.91,1652.28) 2288.84,1669.35 cw(c2305.91,1652.28) 2305.91,1676.42 cw(c2305.91,1700.56) 2288.84,1683.49 cw(c2305.91,1700.56) 2281.77,1700.56 cw(c2257.63,1700.56) 2274.7,1683.49 cw(c2257.63,1700.56) 2257.63,1676.42 ; 3583.22,1676.42 cw(c3583.22,1652.28) 3600.29,1669.35 cw(c3583.22,1652.28) 3607.36,1652.28 cw(c3631.5,1652.28) 3614.43,1669.35 cw(c3631.5,1652.28) 3631.5,1676.42 cw(c3631.5,1700.56) 3614.43,1683.49 cw(c3631.5,1700.56) 3607.36,1700.56 cw(c3583.22,1700.56) 3600.29,1683.49 cw(c3583.22,1700.56) 3583.22,1676.42 ; 4908.81,1676.42 cw(c4908.81,1652.28) 4925.88,1669.35 cw(c4908.81,1652.28) 4932.95,1652.28 cw(c4957.09,1652.28) 4940.02,1669.35 cw(c4957.09,1652.28) 4957.09,1676.42 cw(c4957.09,1700.56) 4940.02,1683.49 cw(c4957.09,1700.56) 4932.95,1700.56 cw(c4908.81,1700.56) 4925.88,1683.49 cw(c4908.81,1700.56) 4908.81,1676.42
  Component Side w30: U36.4@1137.21,2746.92 cw(c1157.55,2722.56) v2(1180,2745) 1157.36,2767.64 U36.4@1137.99,2767.64 cw(c1137.99,2726.9) v2@1175.41,2743.02 ; U29.1@1370,1820 1435,1820 1530,1915 R86.1@1530,1939.96 ; 1488.56,1873.56 ccw(c1422.16,1939.96) R86.1@1516.06,1939.96 ; v1(1675,2720.87) U33.4@1675,2767.64 ; v1(3046.77,1856.77) U13_1.4@3046.77,1926.93 ; C14.1@4914.96,880 C13.1@4914.96,970 C12.1@4914.96,1060 v1(4914.96,1119.96) ; v1(5572.95,1617.95) C48_3.1@5572.95,1671.38 ; C65.1@6010.71,2699.96 v2(6075.75,2699.96) ; U20.4@6261.77,2806.89 v2(6261.77,2736.89) 6308.7,2689.96 C63.1@6370.71,2689.96 ; U22.4@6621.77,2806.89 v2(6621.77,2736.89) 6668.7,2689.96 C64.1@6730.71,2689.96 ; U24.4@6981.77,2806.89 v2(6981.77,2736.89) 7028.7,2689.96 C66.1@7100.71,2689.96 ; v2(7290,2710) 7341.77,2761.77 U26.4@7341.77,2806.89 ; 7337.58,2757.58 ccw(c7319.77,2775.39) U26.4@7344.96,2775.39
  Component Side w50: P3.9@1659.96,819.41 v3(1759.41,819.41) ; U3.1@4810,430 4810,340 4985.04,340 ; C17.1@4985.04,700 C18.1@4985.04,610 C19.1@4985.04,520 C20.1@4985.04,430 4985.04,340 ; U2.3@5158.24,151.57 ccw(c5098.49,91.83) 5098.49,176.32 ccw(c5098.49,260.82) U2.3@5158.24,201.07 ; U2.3@5182.99,176.32 5043.68,176.32 4985.04,234.96 4985.04,340 ; v3(6125,1805) 6191.34,1805 ; C10.1@6191.34,1740 6191.34,1805 ; R24.1@6191.34,1870 6191.34,1805
  Solder Side w20: v1(750,790) C1.2@804.96,790 ; 774.79,964.79 cw(c795.33,944.25) C2.2@808.11,970.33 ; C2.2@794.52,962.53 ccw(c780,952.15) 780,970 ; C2.2@794.52,977.47 cw(c780,987.85) 780,970 ; C1.2@795.89,780.92 ccw(c773.98,759.01) 773.98,790 ccw(c773.98,820.99) C1.2@795.89,799.08 ; C2.2@799.31,952.37 ccw(c782.31,917.69) v1(755,945) 780,970 ; C2.2@804.96,970 780,970 ; v1(1155,395) 1180.04,395 C8.2@1220,355.04 ; 1187.67,387.37 cw(c1155.34,355.04) C8.2@1201.06,355.04 ; v1(1275,465) 1275,480 ; v1@1277,465 cw(c1318.04,465) 1289.02,494.02 ; 1298.75,503.75 cw(c1321.69,480.8) C6.1@1330.94,511.91 ; C6.1@1319.37,496.44 ccw(c1300.04,479.02) 1300.04,505.04 ; C6.1@1319.37,513.63 cw(c1300.04,531.06) 1300.04,505.04 ; C6.1@1325.24,492.74 ccw(c1310.81,444.19) 1275,480 ; C7.2@1325.92,224.11 ccw(c1304.01,246.02) 1335,246.02 ccw(c1365.99,246.02) C7.2@1344.08,224.11 ; C3.2@1325.92,280.89 cw(c1304.01,258.98) 1335,258.98 cw(c1365.99,258.98) C3.2@1344.08,280.89 ; C7.2@1335,215.04 C3.2@1335,289.96 C4.2@1425,289.96 ; C3.2@1350.18,280.89 cw(c1372.09,258.98) 1372.09,289.96 cw(c1372.09,320.95) C3.2@1350.18,299.04 ; C6.1@1350.18,495.96 cw(c1372.09,474.05) 1372.09,505.04 cw(c1372.09,536.02) C6.1@1350.18,514.11 ; C4.2@1409.82,280.89 ccw(c1387.91,258.98) 1387.91,289.96 ccw(c1387.91,320.95) C4.2@1409.82,299.04 ; C5.2@1409.82,495.96 ccw(c1387.91,474.05) 1387.91,505.04 ccw(c1387.91,536.02) C5.2@1409.82,514.11 ; C4.2@1425,289.96 v1(1515,200) ; C5.2@1435.8,493.1 cw(c1449.21,459.05) v1(1475.08,484.92) ; C5.2@1441.81,497.97 cw(c1454.96,489.28) 1454.96,505.04 ; C5.2@1441.81,512.11 ccw(c1454.96,520.8) 1454.96,505.04 ; C4.2@1443.94,289.96 ccw(c1489.56,289.96) 1457.3,257.7 ; 1496.87,463.13 ccw(c1533.9,500.17) C9.2@1533.9,447.8 ; C9.2@1540,434.96 1525.04,434.96 v1(1475.08,484.92) ; 1275,480 1300.04,505.04 ; 1300.04,505.04 C6.1@1335,505.04 C5.2@1425,505.04 1454.96,505.04 ; 1454.96,505.04 v1(1475.08,484.92)
  Solder Side w30: C99.2@590,2724.96 604.96,2710 U35.1@680,2710 ; C99.2@601.64,2730.5 ccw(c651.13,2779.99) 651.13,2710 ; C76.1@1285,1995.04 C77.2@1375,1995.04 1429.96,1995.04 1447.5,1977.5 1447.5,1885 1382.5,1820 U29.1@1370,1820 ; C87.2@1360,2724.96 1425.04,2724.96 U32.1@1440,2710 ; U29.1@1370,1830 ccw(c1370,1884.32) 1408.41,1845.91 ; C87.2@1370.02,2718.18 cw(c1385.5,2691.36) 1393.52,2721.27 ; C87.2@1379.74,2724.96 cw(c1379.74,2649.74) U32.1@1432.93,2702.93 ; C103.1@2290,934.96 C28.2@2410,934.96 ; C26.2@2402.7,1077.22 ccw(c2393.31,1016.69) v1(2350,1060) 2374.96,1084.96 C26.2@2410,1084.96 C25.1@2500,1084.96 ; v1(2410,885) C28.2@2410,934.96 ; C57.2@2445,695.04 v1(2504.96,695.04) ; C27.1@2500,934.96 C28.2@2410,934.96 ; C29.1@2680,934.96 C30.2@2770,934.96 ; C104.1@2725,624.96 2765.04,624.96 v1(2780,610) ccw(c2751.64,581.64) C104.1@2734.46,617.88 ; C104.1@2751.12,624.96 cw(c2751.12,581.12) v1@2782.12,612.12 ; v1(2770,885) C30.2@2770,934.96 ; C105.1@2860,934.96 C30.2@2770,934.96
  Solder Side w50: C33.1@1265.04,820 C34.2@1265.04,910 v3(1335,910)